# KiCad board ButterStick.kicad_pcb
title: ButterStick; date: 2021-01-10; rev: r1.0a; company: GsD; note: Functional prototyping board for the Lattice ECP5.
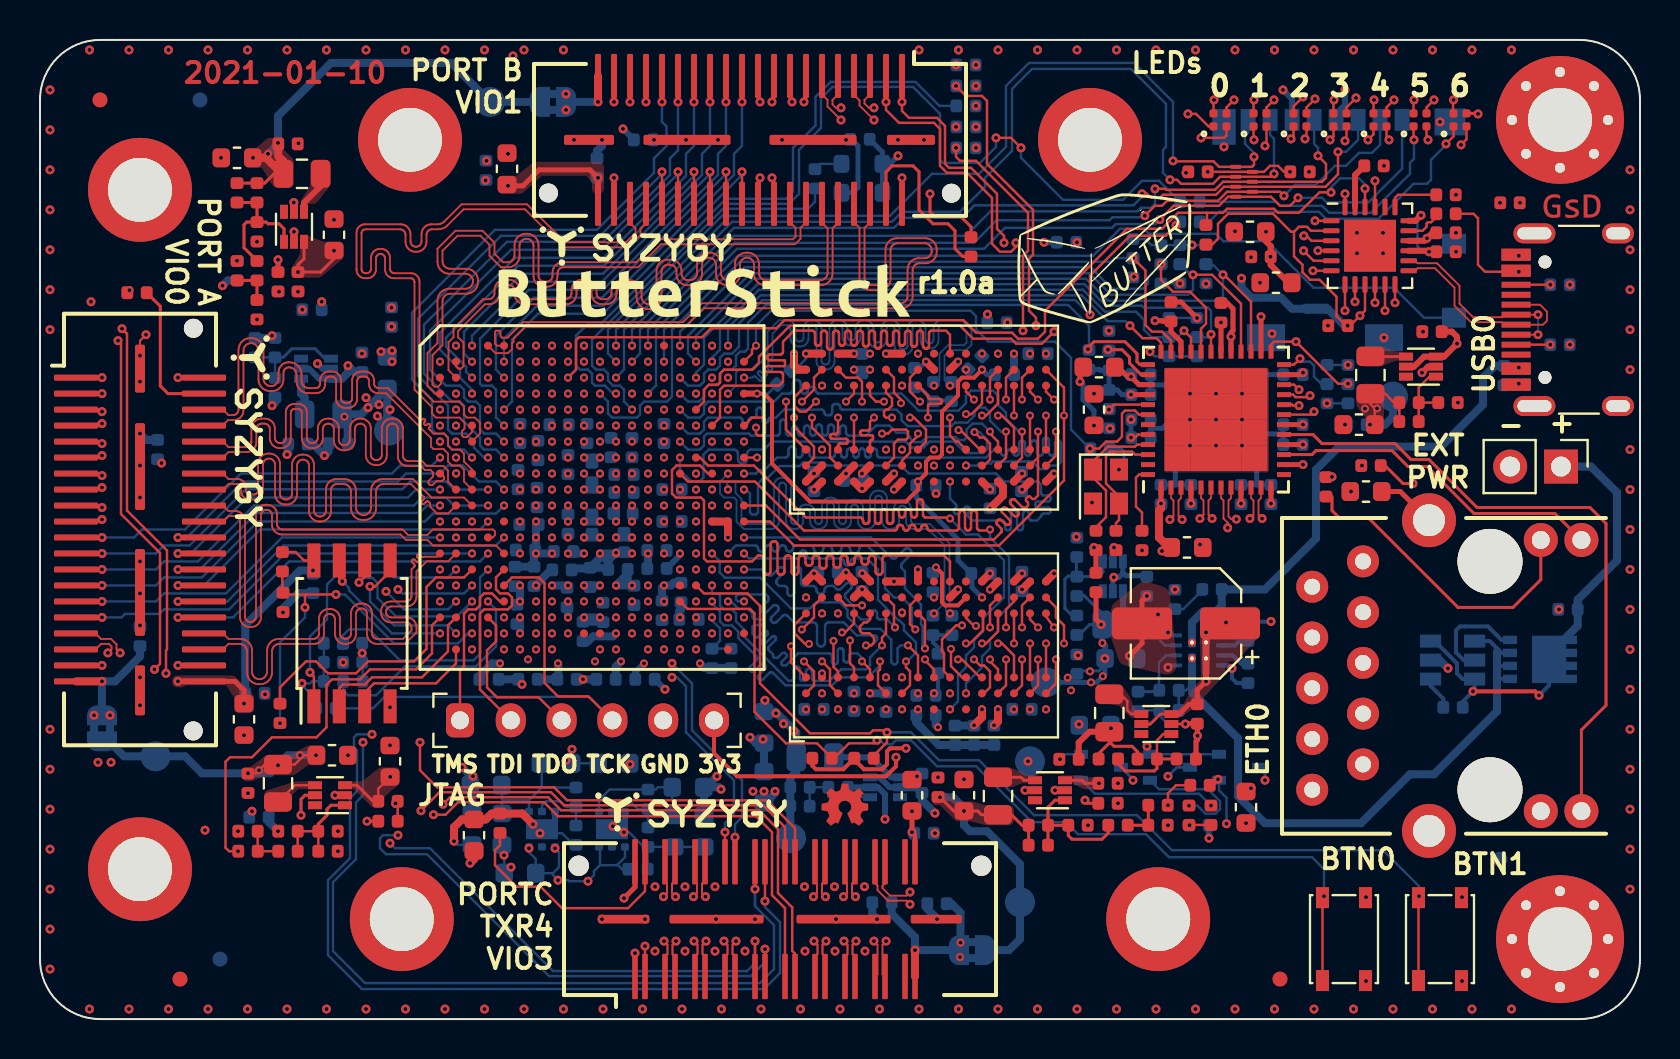
[diagram p0: board, top side]
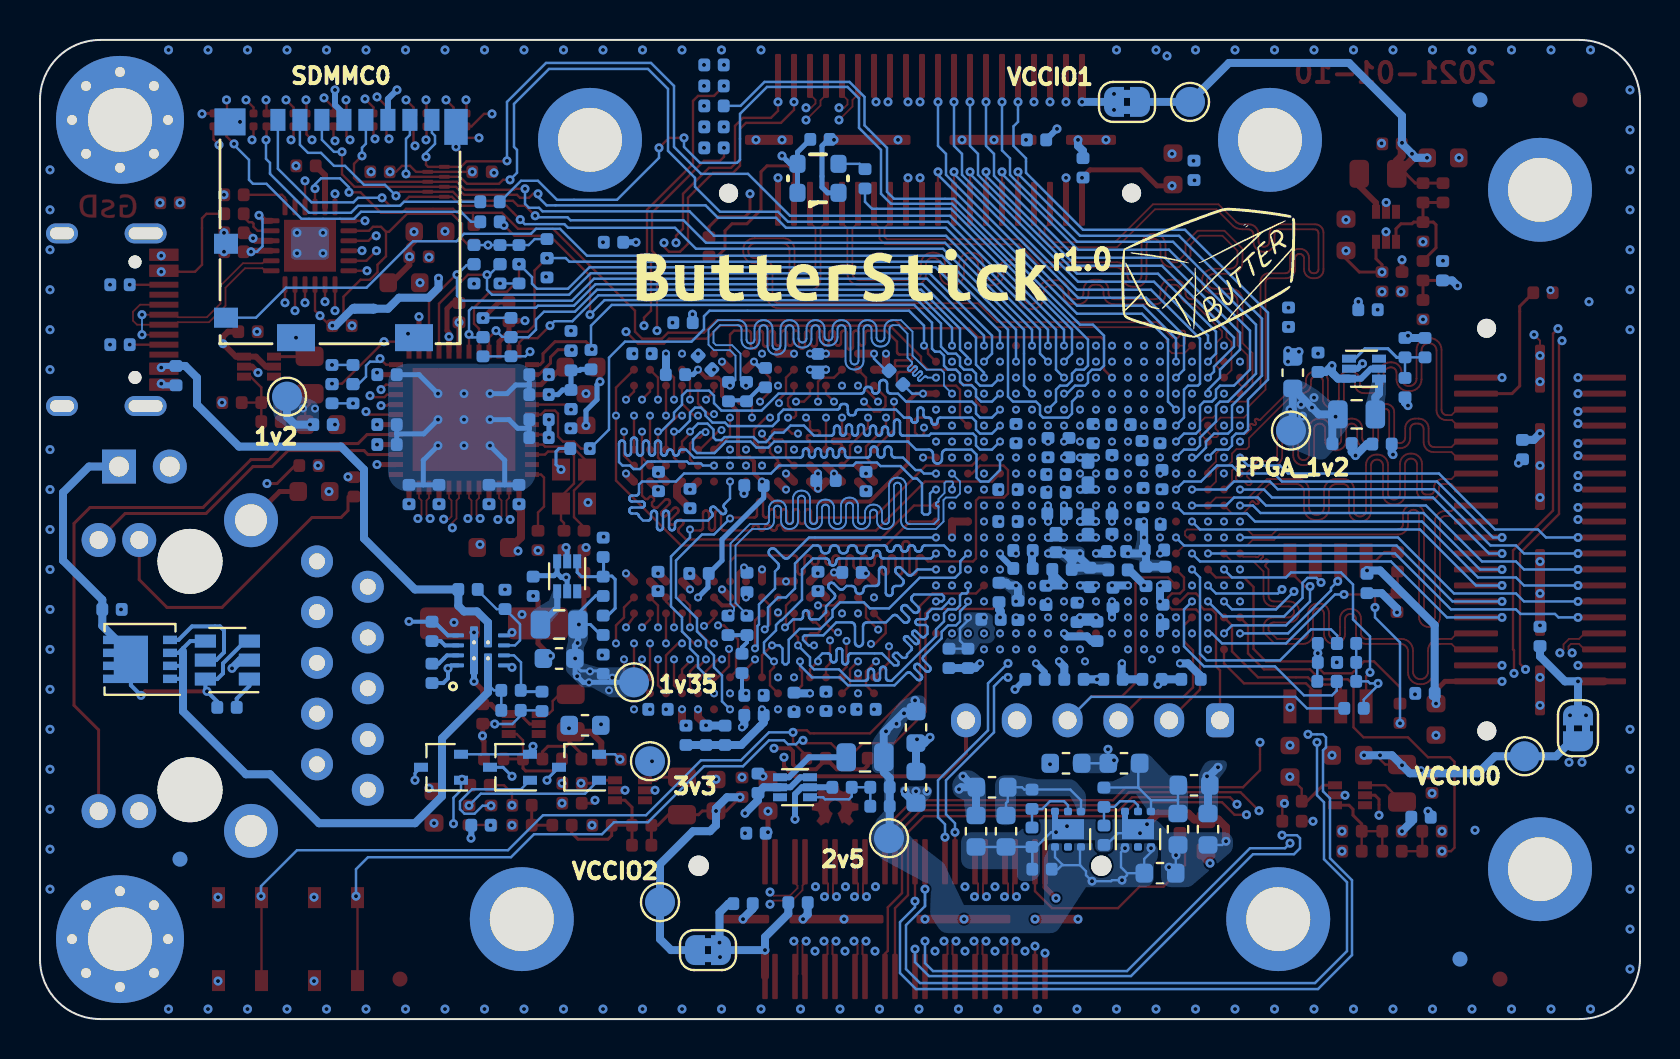
[diagram p1: board, bottom side, seen from below]

Outline 80 x 49 mm; copper layers: Top, In1.Cu (plane), In2.Cu, In3.Cu (plane), In4.Cu (plane), In5.Cu, In6.Cu, Bottom. Coordinates in mm from the lower left corner of the outline.
Outline path: 0,46 arc(0.88,48.12) 3,49 77,49 arc(79.12,48.12) 80,46 80,3 arc(79.12,0.88) 77,0 3,0 arc(0.88,0.88) 0,3 0,46
Stack: Top 0.035mm / dielectric 0.075mm FR4 er 4.5 / In1.Cu 0.035mm / dielectric 0.13mm FR4 er 4.5 / In2.Cu 0.035mm / dielectric 0.2967mm FR4 er 4.5 / In3.Cu 0.035mm / dielectric 0.2967mm FR4 er 4.5 / In4.Cu 0.035mm / dielectric 0.2967mm FR4 er 4.5 / In5.Cu 0.035mm / dielectric 0.13mm FR4 er 4.5 / In6.Cu 0.035mm / dielectric 0.075mm FR4 er 4.5 / Bottom 0.035mm

## Placement (name value [footprint] x y rotation side)
C1  0.1uF  [C_0402_1005Metric]  64.9 34.7 180 top
C2  1uF  [C_0402_1005Metric]  66.7 42.7 0 top
C3  1uF  [C_0402_1005Metric]  70.3 38.4 0 top
C4  0.1uF  [C_0402_1005Metric]  56.05 26.25 90 bottom
C5  0.1uF  [C_0402_1005Metric]  61.55 26.25 90 bottom
C6  0.01uF  [C_0402_1005Metric]  55.05 30 180 bottom
C7  0.1uF  [C_0402_1005Metric]  55.05 31.25 0 bottom
C8  0.1uF  [C_0402_1005Metric]  55.05 29.1 180 bottom
C9  0.1uF  [C_0402_1005Metric]  62.65 28.75 180 bottom
C10  10uF  [C_0603_1608Metric]  52.7 30.5 270 top
C11  0.1uF  [C_0402_1005Metric]  56.55 35.4 90 top
C12  0.1uF  [C_0402_1005Metric]  59.05 35.35 90 top
C13  0.1uF  [C_0402_1005Metric]  55.05 32.25 0 bottom
C14  0.1uF  [C_0402_1005Metric]  62.65 32.25 180 bottom
C15  0.1uF  [C_0402_1005Metric]  62.65 29.75 180 bottom
C16  0.1uF  [C_0402_1005Metric]  57.55 26.25 90 bottom
C17  0.1uF  [C_0402_1005Metric]  60.05 26.25 90 bottom
C18  6.8pF  [C_0402_1005Metric]  53.8 23.95 90 top
C19  6.8pF  [C_0402_1005Metric]  52.8 23.95 90 top
C20  0.1uF  [C_0402_1005Metric]  12.15 20.85 270 top
C21  0.1uF  [C_0402_1005Metric]  48.22 32.25 0 bottom
C22  0.1uF  [C_0402_1005Metric]  47.05 22.3 0 bottom
C23  0.47uF  [C_0402_1005Metric]  25.95 29.75 180 bottom
C24  0.1uF  [C_0402_1005Metric]  27.35 29.3 270 bottom
C25  0.47uF  [C_0402_1005Metric]  24.45 24.75 0 bottom
C26  0.1uF  [C_0402_1005Metric]  24.85 26.1 90 bottom
C27  0.47uF  [C_0402_1005Metric]  23.9 27 270 bottom
C28  0.1uF  [C_0402_1005Metric]  24.9 28.45 90 bottom
C29  4.7uF  [C_0402_1005Metric]  44.1 11.8 90 bottom
C30  0.47uF  [C_0402_1005Metric]  13.65 21.8 270 bottom
C31  4.7uF  [C_0402_1005Metric]  29.9 7.5 0 bottom
C32  0.1uF  [C_0402_1005Metric]  26.18 23.4 180 bottom
C33  1uF  [C_0402_1005Metric]  31.6 26.5 180 bottom
C34  1uF  [C_0402_1005Metric]  31.6 24.9 0 bottom
C35  1uF  [C_0402_1005Metric]  49.1 15.5 180 bottom
C36  1uF  [C_0402_1005Metric]  39.4 22.35 180 bottom
C37  1uF  [C_0402_1005Metric]  41.1 21.9 270 bottom
C38  0.1uF  [C_0402_1005Metric]  24.28 23.47 0 bottom
C39  0.1uF  [C_0402_1005Metric]  30.85 23.45 180 bottom
C40  0.1uF  [C_0402_1005Metric]  31.2 29.3 270 bottom
C41  10uF  [C_0603_1608Metric]  31.7 9.4 270 bottom
C42  0.1uF  [C_0402_1005Metric]  26.4 27.75 270 bottom
C43  0.47uF  [C_0402_1005Metric]  27.6 27.35 270 bottom
C44  0.1uF  [C_0402_1005Metric]  29.2 27.25 180 bottom
C45  0.47uF  [C_0402_1005Metric]  29.6 28.6 90 bottom
C46  0.1uF  [C_0402_1005Metric]  29.2 26.35 180 bottom
C47  0.47uF  [C_0402_1005Metric]  26.4 24.77 90 bottom
C48  0.1uF  [C_0402_1005Metric]  29.15 25.3 180 bottom
C49  0.47uF  [C_0402_1005Metric]  29.2 23.85 270 bottom
C50  0.1uF  [C_0402_1005Metric]  28.55 28.6 90 bottom
C51  0.47uF  [C_0402_1005Metric]  27.6 24.77 90 bottom
C52  0.1uF  [C_0402_1005Metric]  70.3 39.35 0 top
C53  0.1uF  [C_0402_1005Metric]  27.85 42.6 90 bottom
C54  6.8pF  [C_0402_1005Metric]  38 11.6 0 bottom
C55  10uF  [C_0603_1608Metric]  24 7.3 180 bottom
C56  0.1uF  [C_0402_1005Metric]  13.6 35.5 0 bottom
C57  10uF  [C_0603_1608Metric]  23.1 9.5 270 bottom
C58  22uF  [C_0603_1608Metric]  36.2 11.6 270 bottom
C59  22uF  [C_0603_1608Metric]  33.2 9.4 270 bottom
C60  4.7uF  [C_0402_1005Metric]  28.15 20.35 90 bottom
C61  4.7uF  [C_0402_1005Metric]  55.34 21.66 270 bottom
C62  4.7uF  [C_0402_1005Metric]  32.05 21.35 270 bottom
C63  0.1uF  [C_0402_1005Metric]  44.2 9.3 0 bottom
C64  0.1uF  [C_0402_1005Metric]  61.05 38.15 180 top
C65  10uF  [C_0603_1608Metric]  57.35 23.6 0 top
C66  0.1uF  [C_0402_1005Metric]  57.9 42.4 0 top
C67  0.1uF  [C_0402_1005Metric]  73.5 40.85 0 top
C68  1uF  [C_0402_1005Metric]  24 29.3 270 bottom
C69  10uF  [C_0603_1608Metric]  60.5 39.4 180 top
C70  0.1uF  [C_0402_1005Metric]  63 42.4 180 top
C71  0.1uF  [C_0402_1005Metric]  10.75 16.3 0 bottom
C72  10uF  [C_0603_1608Metric]  60.3 10.6 270 top
C73  6.8pF  [C_0402_1005Metric]  51.84 19.71 90 bottom
C74  10uF  [C_0603_1608Metric]  54.04 18.04 0 bottom
C75  1uF  [C_0402_1005Metric]  51.84 17.76 90 bottom
C76  4.7uF  [C_0402_1005Metric]  57.87 15.26 270 top
C77  4.7uF  [C_0402_1005Metric]  69.6 34.4 180 top
C78  4.7uF  [C_0402_1005Metric]  16.1 32.87 90 bottom
C79  6.8pF  [C_0402_1005Metric]  53.41 13.01 0 top
C80  6.8pF  [C_0402_1005Metric]  68.45 29.9 0 top
C81  6.8pF  [C_0402_1005Metric]  10.75 33.6 270 bottom
C82  10uF  [C_0603_1608Metric]  52.75 14.7 180 bottom
C83  10uF  [C_0603_1608Metric]  65.95 29.75 180 top
C84  10uF  [C_0603_1608Metric]  17.36 32.35 90 bottom
C85  1uF  [C_0402_1005Metric]  51.45 13 180 top
C86  1uF  [C_0402_1005Metric]  65.85 29.75 180 bottom
C87  1uF  [C_0402_1005Metric]  14.9 28.8 180 bottom
C88  0.1uF  [C_0402_1005Metric]  47.5 26.05 90 bottom
C89  0.1uF  [C_0402_1005Metric]  40.7 26.95 0 bottom
C90  4.7uF  [C_0402_1005Metric]  41.1 32.8 270 bottom
C91  4.7uF  [C_0402_1005Metric]  38.7 26.9 270 bottom
C92  0.1uF  [C_0402_1005Metric]  44.3 26.7 0 bottom
C93  0.1uF  [C_0402_1005Metric]  49.1 21.9 90 bottom
C94  0.1uF  [C_0402_1005Metric]  38.7 15.5 0 bottom
C95  4.7uF  [C_0402_1005Metric]  42.3 15.85 90 bottom
C96  4.7uF  [C_0402_1005Metric]  40.7 15.9 270 bottom
C97  0.1uF  [C_0402_1005Metric]  44.3 15.2 0 bottom
C98  0.1uF  [C_0402_1005Metric]  17.4 10.9 0 top
C99  0.1uF  [C_0402_1005Metric]  10.4 9.4 180 top
C100  6.8pF  [C_0402_1005Metric]  14.4 8.4 180 top
C101  10uF  [C_0603_1608Metric]  14.6 13.2 0 top
C102  0.1uF  [C_0402_1005Metric]  10.4 11.8 270 top
C103  10uF  [C_0603_1608Metric]  17.5 12.9 90 top
C104  10uF  [C_0603_1608Metric]  10.2 15 270 top
C105  0.1uF  [C_0402_1005Metric]  12.9 36.9 270 top
C106  0.1uF  [C_0402_1005Metric]  9.85 37.45 90 top
C107  6.8pF  [C_0402_1005Metric]  9.85 41.35 270 top
C108  10uF  [C_0603_1608Metric]  9.85 43.1 180 top
C109  0.1uF  [C_0402_1005Metric]  12.4 43.8 0 top
C110  10uF  [C_0603_1608Metric]  14.7 39.25 90 top
C111  10uF  [C_0603_1608Metric]  23.35 42.55 90 top
C112  0.1uF  [C_0402_1005Metric]  53.4 11.8 0 top
C113  0.1uF  [C_0402_1005Metric]  55.9 10.7 0 top
C114  6.8pF  [C_0402_1005Metric]  49.91 8.7 0 top
C115  10uF  [C_0603_1608Metric]  46.2 11.2 90 top
C116  0.1uF  [C_0402_1005Metric]  44.9 11.6 90 top
C117  10uF  [C_0603_1608Metric]  21.7 9.2 90 top
C118  10uF  [C_0603_1608Metric]  43.6 11.2 90 top
C119  4.7uF  [C_0402_1005Metric]  45.75 14.2 90 bottom
C120  0.1uF  [C_0402_1005Metric]  30.85 22.55 180 bottom
C121  0.1uF  [C_0402_1005Metric]  37.2 32.1 45 bottom
C122  0.47uF  [C_0402_1005Metric]  33.6 18.05 270 bottom
C123  0.47uF  [C_0402_1005Metric]  23.75 22.15 90 bottom
C124  0.47uF  [C_0402_1005Metric]  27.15 19.4 270 bottom
C125  0.47uF  [C_0402_1005Metric]  31.1 20.45 270 bottom
C126  0.47uF  [C_0402_1005Metric]  34.55 18.05 270 bottom
C127  0.47uF  [C_0402_1005Metric]  23.85 20.25 270 bottom
C128  0.01uF  [C_0402_1005Metric]  32.45 20 180 bottom
C129  0.01uF  [C_0402_1005Metric]  30.25 17 180 bottom
C130  0.01uF  [C_0402_1005Metric]  26.35 21.1 270 bottom
C131  0.01uF  [C_0402_1005Metric]  26.1 22.47 0 bottom
C132  0.47uF  [C_0402_1005Metric]  29.7 21.2 270 bottom
C133  0.47uF  [C_0402_1005Metric]  27.5 22.1 90 bottom
C134  0.47uF  [C_0402_1005Metric]  28.9 22.5 180 bottom
C135  0.47uF  [C_0402_1005Metric]  22.45 17 180 bottom
C136  0.47uF  [C_0402_1005Metric]  28.3 17 0 bottom
C137  0.47uF  [C_0402_1005Metric]  24.4 17 0 bottom
C138  4.7uF  [C_0402_1005Metric]  26.35 17 180 bottom
C139  4.7uF  [C_0402_1005Metric]  24.7 22.15 90 bottom
C140  22uF  [C_0603_1608Metric]  28.7 12.8 0 bottom
C141  22uF  [C_0603_1608Metric]  21.6 9.5 270 bottom
C142  1uF  [C_0402_1005Metric]  73.2 32.2 270 bottom
C143  1uF  [C_0402_1005Metric]  56.45 15.45 180 bottom
C144  0.01uF  [C_0402_1005Metric]  60.4 17.3 270 bottom
C145  0.1uF  [C_0402_1005Metric]  43.72 32.1 90 bottom
C146  0.1uF  [C_0402_1005Metric]  44.9 17.8 270 bottom
C147  0.1uF  [C_0402_1005Metric]  49.07 26.9 90 bottom
C148  0.1uF  [C_0402_1005Metric]  52.8 21.85 90 top
C149  0.1uF  [C_0402_1005Metric]  44.3 16.2 0 bottom
C150  0.1uF  [C_0402_1005Metric]  49.9 33.3 0 bottom
C151  0.1uF  [C_0402_1005Metric]  41 44.02 180 bottom
C152  0.47uF  [C_0402_1005Metric]  9.88 37.45 90 bottom
C153  0.1uF  [C_0402_1005Metric]  57.95 9.7 180 bottom
C154  0.1uF  [C_0402_1005Metric]  47.85 34.85 180 bottom
C155  0.1uF  [C_0402_1005Metric]  51.32 38.87 180 bottom
C156  0.1uF  [C_0402_1005Metric]  10.95 10.1 0 bottom
C157  0.1uF  [C_0402_1005Metric]  12.9 28.77 0 bottom
C158  0.1uF  [C_0402_1005Metric]  22.3 42.47 90 bottom
C159  1uF  [C_0402_1005Metric]  5.88 28.5 90 bottom
C160  1uF  [C_0402_1005Metric]  5 19.15 90 bottom
C161  1uF  [C_0402_1005Metric]  17.58 35.12 270 bottom
C162  1uF  [C_0402_1005Metric]  30.18 44 0 bottom
C163  1uF  [C_0402_1005Metric]  42.1 5.82 180 bottom
C164  1uF  [C_0402_1005Metric]  44.85 5.77 180 bottom
C165  150uF  [CP_Elec_5x4.4]  57.3 19.8 180 top
C166  1uF  [C_0402_1005Metric]  76.4 20.5 180 bottom
C167  0.1uF  [C_0402_1005Metric]  70.65 15.6 180 bottom
CON1  JD1_0001NL  [MAGJACK]  72.5 11.47 90 top
D1  RGB0404  [0404LED_RGB]  59 45 0 top
D2  RGB0404  [0404LED_RGB]  61 45 0 top
D3  RGB0404  [0404LED_RGB]  63 45 0 top
D4  RGB0404  [0404LED_RGB]  65 45 0 top
D5  RGB0404  [0404LED_RGB]  67 45 0 top
D6  RGB0404  [0404LED_RGB]  69 45 0 top
D7  RGB0404  [0404LED_RGB]  71 45 0 top
FB1  100R  [L_0603_1608Metric]  36.2 14.6 270 bottom
FB2  100R  [L_0603_1608Metric]  32.4 11.6 0 bottom
FB3  100R  [L_0603_1608Metric]  25.8 12.8 0 bottom
FB4  100R  [L_0603_1608Metric]  22.3 11.7 180 bottom
FB5  100R  [L_0603_1608Metric]  61.8 36.85 0 top
FB6  100R  [L_0603_1608Metric]  52.95 32.62 0 top
FB7  100R  [L_0603_1608Metric]  66.3 26.4 0 top
FID1  Fiducial  [Fiducial_0.75mm_Mask1.5mm]  7 2 0 top
FID2  Fiducial  [Fiducial_0.75mm_Mask1.5mm]  3 46 0 top
FID3  Fiducial  [Fiducial_0.75mm_Mask1.5mm]  62 2 0 top
FID4  Fiducial  [Fiducial_0.75mm_Mask1.5mm]  9 3 0 bottom
FID5  Fiducial  [Fiducial_0.75mm_Mask1.5mm]  8 46 0 bottom
FID6  Fiducial  [Fiducial_0.75mm_Mask1.5mm]  73 8 0 bottom
G***  LOGO  [syzygy_logo]  10.5 29.2 270 top
G***#2  LOGO  [syzygy_logo]  30 38.67 0 top
G***#3  LOGO  [logo_name]  35.28 36.42 0 top
G***#4  LOGO  [syzygy_logo]  32.78 10.35 0 top
G***#5  LOGO  [logo]  53 38.4 0 top
G***#6  LOGO  [logo]  21.8 37.67 180 bottom
G***#7  LOGO  [logo_name]  37.82 37.22 180 bottom
H1  MountingHole  [MountingHole_3.2mm_M3_Pad_Via]  76 45 0 top
H2  MountingHole  [MountingHole_3.2mm_M3_Pad_Via]  76 4 0 top
J1  USB_C_Receptacle_USB2.0  [USB_C_Receptacle_HRO_TYPE-C-31-M-12]  77.85 35 90 top
J2  MicroSD  [molex_microsd_1040310811]  65 45 0 bottom
J3  SYZYGY-STD  [SYZYGY_standard_carrier]  5 24.5 270 top
J4  SYZYGY-STD  [SYZYGY_standard_carrier]  35.5 44 180 top
J5  SYZYGY-TXR-4  [SYZYGY_Transcieiver]  37 5 0 top
J6  Conn_01x06_Male  [PinHeader_1x06_P2.54mm_Vertical]  21 14.95 90 top
J7  Conn_01x02_Male  [PinHeader_1x02_P2.54mm_Vertical]  76.05 27.65 270 top
JP1  Jumper_NC  [SolderJumper-2_P1.3mm_Bridged2Bar_RoundedPad1.0x1.5mm]  3.1 14.55 90 bottom
JP2  Jumper_NC  [SolderJumper-2_P1.3mm_Bridged2Bar_RoundedPad1.0x1.5mm]  25.65 45.9 0 bottom
JP3  Jumper_NC  [SolderJumper-2_P1.3mm_Bridged2Bar_RoundedPad1.0x1.5mm]  46.6 3.45 180 bottom
L3  2.2uH  [L_0805_2012Metric]  54.04 19.74 180 bottom
L4  2.2uH  [L_0805_2012Metric]  53.47 15.31 270 top
L5  2.2uH  [L_0805_2012Metric]  66.52 32.23 270 top
L6  2.2uH  [L_0805_2012Metric]  14.17 30.26 0 bottom
L7  2.2uH  [L_0805_2012Metric]  11.9 11.8 90 top
L8  2.2uH  [L_0805_2012Metric]  13.1 42.3 180 top
L9  2.2uH  [L_0805_2012Metric]  47.9 11.16 270 top
L10  2.2uH  [L_0805_2012Metric]  38.75 13.1 180 bottom
LOGO1  Q_NMOS_GSD  [gsd_logo_small]  76.6 40.6 0 top
LOGO2  Logo_Open_Hardware_Small  [oshw_small]  40.25 10.7 0 top
NT1  Net-Tie_2  [NetTie-2_SMD_Pad0.5mm]  63.8 35.55 0 bottom
Q1  Q_NMOS_GSD  [SOT-323_SC-70]  59.95 12.6 0 bottom
Q2  Q_NMOS_GSD  [SOT-323_SC-70]  53.05 12.6 0 bottom
Q3  Q_NMOS_GSD  [SOT-323_SC-70]  56.5 12.6 0 bottom
Q4  Q_NMOS_GSD  [Diodes_PowerDI3333-8]  75 18 0 bottom
R1  210k  [R_0402_1005Metric]  4.85 36.35 180 top
R2  84k5  [R_0402_1005Metric]  46.55 38.65 90 top
R3  49k9  [R_0402_1005Metric]  23 9.8 90 top
R4  8.06k  [R_0402_1005Metric]  70.3 41.25 180 top
R5  20K  [R_0402_1005Metric]  70.3 40.3 0 top
R6  5.1k  [R_0402_1005Metric]  76 36.75 0 bottom
R7  5.1k  [R_0402_1005Metric]  76 33.75 0 bottom
R8  1K5  [R_0402_1005Metric]  53.45 31 90 bottom
R9  1K5  [R_0402_1005Metric]  53.45 32.95 270 bottom
R10  DNP  [R_0402_1005Metric]  54.65 37.6 270 bottom
R11  DNP  [R_0402_1005Metric]  56.45 33.65 270 bottom
R12  1K5  [R_0402_1005Metric]  64.35 31.3 270 bottom
R13  1K5  [R_0402_1005Metric]  65.4 31.3 270 bottom
R14  1K5  [R_0402_1005Metric]  58.3 37.3 270 bottom
R15  1K5  [R_0402_1005Metric]  57 37.3 270 bottom
R16  1K5  [R_0402_1005Metric]  57.85 33.65 270 bottom
R17  1K5  [R_0402_1005Metric]  56.05 37.3 270 bottom
R18  1K5  [R_0402_1005Metric]  53 28.55 180 bottom
R19  1K5  [R_0402_1005Metric]  52.45 33 270 bottom
R20  DNP  [R_0402_1005Metric]  53.45 30.05 270 bottom
R21  DNP  [R_0402_1005Metric]  53.45 33.95 90 bottom
R22  1K5  [R_0402_1005Metric]  54.65 38.55 90 bottom
R23  1K5  [R_0402_1005Metric]  56.45 34.6 90 bottom
R24  DNP  [R_0402_1005Metric]  64.35 32.25 90 bottom
R25  DNP  [R_0402_1005Metric]  65.4 32.25 90 bottom
R26  DNP  [R_0402_1005Metric]  58.3 38.25 90 bottom
R27  DNP  [R_0402_1005Metric]  57 38.25 90 bottom
R28  DNP  [R_0402_1005Metric]  57.85 34.6 90 bottom
R29  DNP  [R_0402_1005Metric]  56.05 38.25 90 bottom
R30  12.1K  [R_0402_1005Metric]  55.1 23.95 270 top
R31  220R  [R_0402_1005Metric]  64.3 26.63 270 top
R32  220R  [R_0402_1005Metric]  66.55 27.7 180 top
R33  10K  [R_0402_1005Metric]  39.1 13.05 0 top
R34  10K  [R_0402_1005Metric]  41.2 13.05 0 top
R35  220R  [R_0402_1005Metric]  46.3 46.7 0 bottom
R36  220R  [R_0402_1005Metric]  46.3 45.7 0 bottom
R37  10K  [R_0402_1005Metric]  58 11.7 0 top
R38  220R  [R_0402_1005Metric]  46.3 47.75 0 bottom
R39  220R  [R_0402_1005Metric]  46.3 44.65 0 bottom
R40  10K  [R_0402_1005Metric]  58.55 10.2 90 top
R41  220R  [R_0402_1005Metric]  46.3 43.6 0 bottom
R42  220R  [R_0402_1005Metric]  57.5 40.9 0 bottom
R43  10K  [R_0402_1005Metric]  57.45 10.2 90 top
R44  220R  [R_0402_1005Metric]  57.5 39.9 0 bottom
R45  4k7  [R_0402_1005Metric]  12.12 22.88 270 top
R46  DNP  [R_0402_1005Metric]  15.62 18.8 180 bottom
R47  1K  [R_0402_1005Metric]  14.67 18.8 180 bottom
R48  1K  [R_0402_1005Metric]  15.62 17.85 180 bottom
R49  DNP  [R_0402_1005Metric]  14.67 17.85 180 bottom
R50  DNP  [R_0402_1005Metric]  15.65 16.9 180 bottom
R51  1K  [R_0402_1005Metric]  14.67 16.9 180 bottom
R52  51R  [R_0402_1005Metric]  12 15.3 90 top
R53  10k  [R_0402_1005Metric]  58.3 39.25 90 top
R54  20R  [R_0402_1005Metric]  38.75 42.05 270 bottom
R55  4k7  [R_0402_1005Metric]  14.3 15.55 180 bottom
R56  124k  [R_0402_1005Metric]  51.84 21.66 270 bottom
R57  100k  [R_0402_1005Metric]  51.84 23.61 270 bottom
R58  316k  [R_0402_1005Metric]  38 10.65 180 bottom
R59  100k  [R_0402_1005Metric]  39.9 11.6 180 bottom
R60  118k  [R_0402_1005Metric]  30.4 11 90 bottom
R61  210k  [R_0402_1005Metric]  55.37 13.01 180 top
R62  47k  [R_0402_1005Metric]  57.31 13.01 180 top
R63  100k  [R_0402_1005Metric]  68.45 30.85 180 top
R64  100k  [R_0402_1005Metric]  70.4 30.85 180 top
R65  100k  [R_0402_1005Metric]  11.75 33.6 90 bottom
R66  100k  [R_0402_1005Metric]  11.75 31.6 90 bottom
R67  51R  [R_0402_1005Metric]  44.68 31.4 90 bottom
R68  240R  [R_0402_1005Metric]  46.75 32.85 45 bottom
R69  1K  [R_0402_1005Metric]  47.7 14.2 270 bottom
R70  1K  [R_0402_1005Metric]  46.7 14.2 90 bottom
R71  51R  [R_0402_1005Metric]  44.65 19.7 90 bottom
R72  240R  [R_0402_1005Metric]  44.65 21.85 270 bottom
R73  100k  [R_0402_1005Metric]  30.4 9.1 90 bottom
R74  118k  [R_0402_1005Metric]  26.8 11.1 90 bottom
R75  34.0K  [R_0402_1005Metric]  10.4 8.4 180 top
R76  10K  [R_0402_1005Metric]  17.4 9.9 180 top
R77  34.0K  [R_0402_1005Metric]  12.4 8.4 180 top
R78  53.6K  [R_0402_1005Metric]  14.4 9.4 0 top
R79  13.0K  [R_0402_1005Metric]  12.4 9.4 0 top
R80  34.0K  [R_0402_1005Metric]  10.85 35.5 270 top
R81  10K  [R_0402_1005Metric]  11.9 36.9 90 top
R82  34.0K  [R_0402_1005Metric]  10.85 37.45 270 top
R83  53.6K  [R_0402_1005Metric]  10.85 41.35 90 top
R84  13.0K  [R_0402_1005Metric]  10.85 39.4 90 top
R85  34.0K  [R_0402_1005Metric]  55.9 9.7 0 top
R86  10K  [R_0402_1005Metric]  53.4 10.8 180 top
R87  34.0K  [R_0402_1005Metric]  53.9 9.7 0 top
R88  53.6K  [R_0402_1005Metric]  49.91 9.7 180 top
R89  13.0K  [R_0402_1005Metric]  51.9 9.7 180 top
R90  100k  [R_0402_1005Metric]  26.8 9.2 90 bottom
R91  23.7k  [R_0402_1005Metric]  58.6 21.5 0 bottom
R92  5.1k  [R_0402_1005Metric]  56.75 21 270 bottom
R93  51R  [R_0402_1005Metric]  45.57 31.4 90 bottom
R94  51R  [R_0402_1005Metric]  45.6 19.7 90 bottom
R95  23.7k  [R_0402_1005Metric]  56.45 16.45 0 bottom
R96  5.1k  [R_0402_1005Metric]  54.9 15.9 90 bottom
R97  47k  [R_0402_1005Metric]  60.4 19.4 270 bottom
SW1  SW_Push  [SW_SPST_PTS810]  65.2 4 90 top
SW2  SW_Push  [SW_SPST_PTS810]  70 4 90 top
TP1  TestPoint_Small  [TestPoint_Pad_D1.5mm]  37.55 9.05 0 bottom
TP5  TestPoint_Small  [TestPoint_Pad_D1.5mm]  50.3 16.85 0 bottom
TP6  TestPoint_Small  [TestPoint_Pad_D1.5mm]  49.5 12.9 270 bottom
TP7  TestPoint_Small  [TestPoint_Pad_D1.5mm]  67.65 31.15 0 bottom
TP8  TestPoint_Small  [TestPoint_Pad_D1.5mm]  17.45 29.45 0 bottom
TP9  TestPoint_Small  [TestPoint_Pad_D1.5mm]  5.78 13.15 0 bottom
TP10  TestPoint_Small  [TestPoint_Pad_D1.5mm]  22.5 45.9 0 bottom
TP11  TestPoint_Small  [TestPoint_Pad_D1.5mm]  49 5.85 0 bottom
U1  USB3343  [QFN-24-1EP_4x4mm_P0.5mm_EP2.6x2.6mm]  66.5 38.7 0 top
U2  KSZ9031  [QFN-48-1EP_7x7mm_Pitch0.5mm]  58.8 30 90 top
U3  PUSB3FR6  [XSON7]  60.2 41.9 0 top
U4  ECP5UM5G_85_CABGA381  [caBGA_381_17x17]  27.6 26.1 0 top
U5  W25Q128JVSIQ  [SOIJ-8_5.3x5.3mm_P1.27mm]  15.6 19.3 90 top
U6  TLV62569DRL  [SOT-563]  42.25 11.6 0 bottom
U7  TLV62569DRL  [SOT-563]  53.64 22.16 270 bottom
U8  TLV62569DRL  [SOT-563]  55.81 14.76 180 top
U9  TLV62569DRL  [SOT-563]  69.05 32.65 180 top
U10  TLV62569DRL  [SOT-563]  13.8 32.55 180 bottom
U11  MT41K64M16TW-107_J-TR  [BGA-96_9.0x13.0mm_Layout2x3x16_P0.8mm]  44.3 30.1 90 top
U12  MT41K64M16TW-107_J-TR  [BGA-96_9.0x13.0mm_Layout2x3x16_P0.8mm]  44.3 18.7 90 top
U13  TLV62569DRL  [SOT-563]  14.5 11.2 180 top
U14  TLV62569DRL  [SOT-563]  12.7 39.65 90 top
U15  TLV62569DRL  [SOT-563]  50.5 11.45 180 top
U16  TLV75801PDRV  [WSON-6-1EP_2x2mm_P0.65mm_EP1x1.6mm]  28.6 9.5 270 bottom
U17  TLV75801PDRV  [WSON-6-1EP_2x2mm_P0.65mm_EP1x1.6mm]  25.1 9.5 270 bottom
U18  TPS2121  [VQFN-HR]  57.95 18.45 90 bottom
U19  LM74700  [SOT-23-6]  70.63 17.96 0 bottom
X1  30MHz  [Oscilator_2.5x2.0]  41.1 42.07 180 bottom
Y1  25MHz  [Oscillator_SMD_SeikoEpson_SG210-4Pin_2.5x2.0mm]  53.3 26.65 270 top
